# Altium PCB PCB1.PcbDoc
Units mil, origin at the board's own origin, x right, y up, seen from the top; angles counter-clockwise.
Board outline 3927.04 x 3950.03 mil, 2 copper layers (Top Layer, Bottom Layer); 47 components, 56 nets, 235 pads, 28 vias.
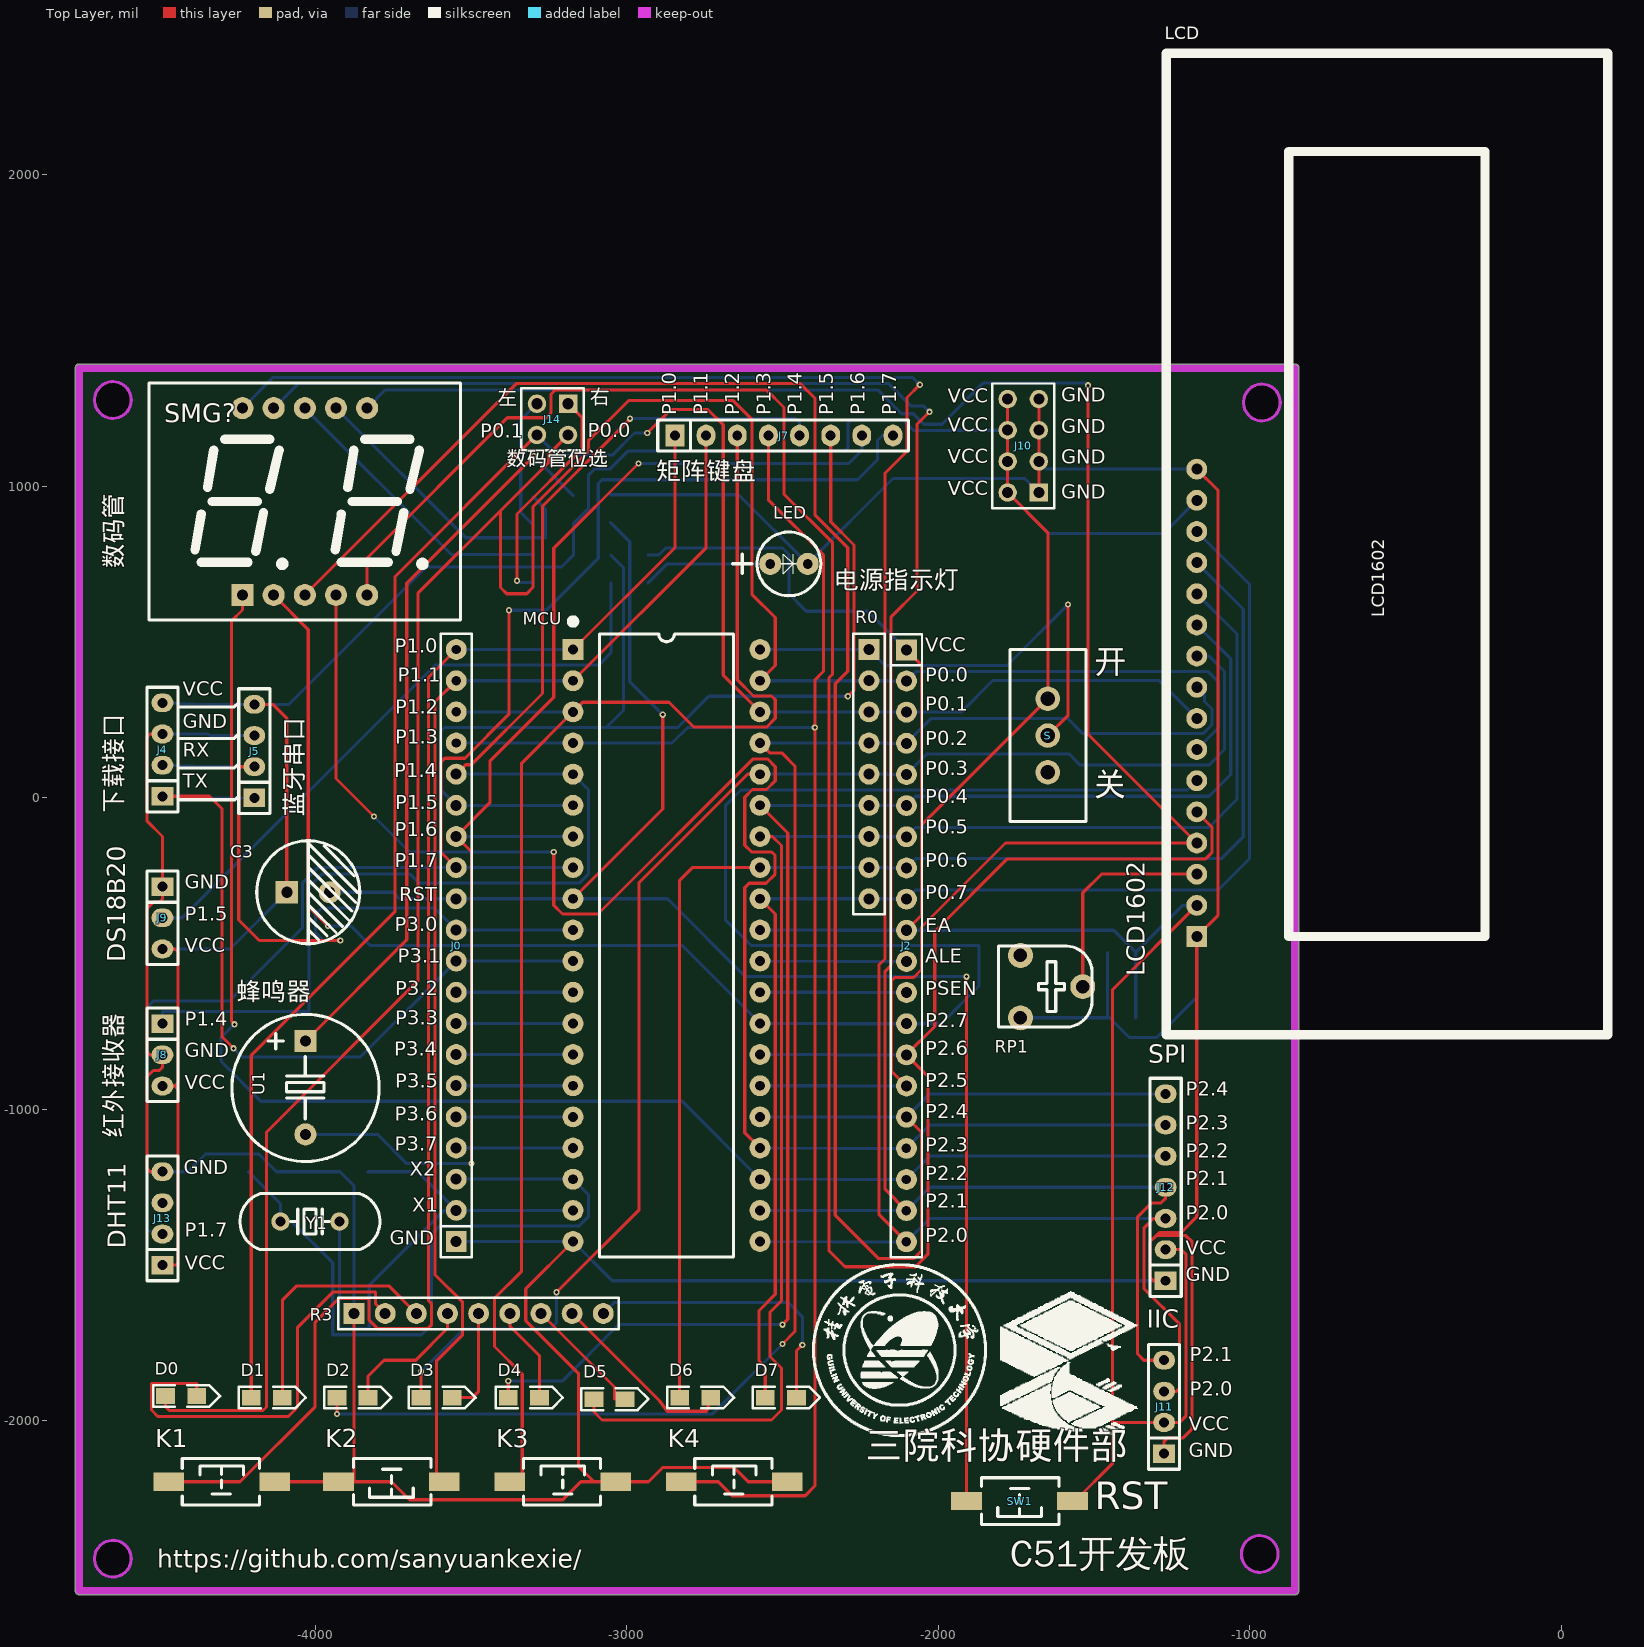
[diagram p0: Top Layer view]
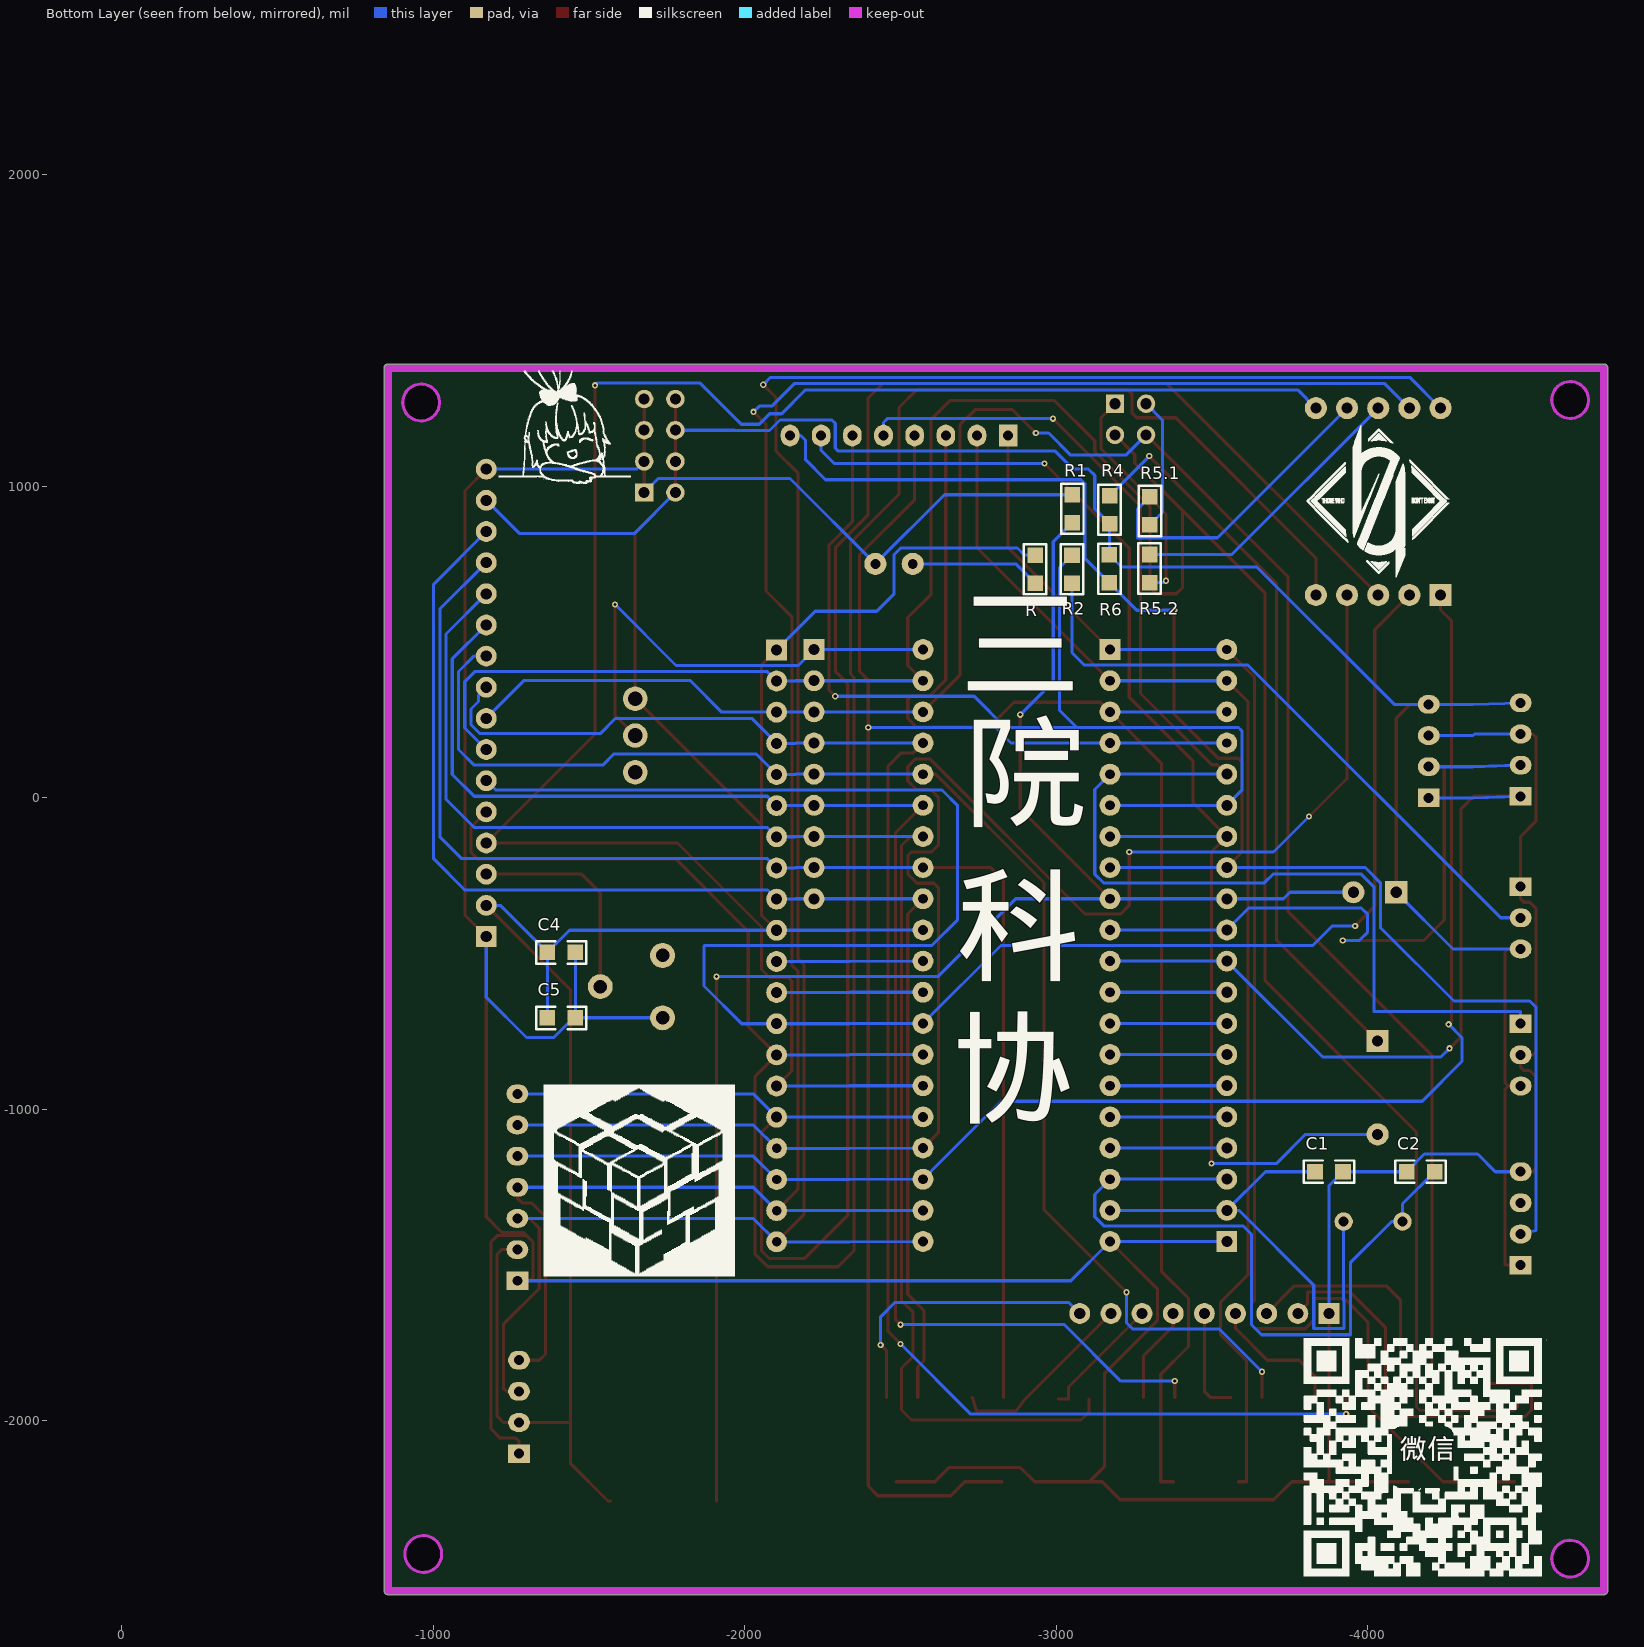
[diagram p1: Bottom Layer view, seen from below]

## Layer stack, top to bottom
Top Solder: solder mask 0.4, Solder Resist, Dk 3.5
Top Layer: signal copper 1.4
Dielectric 1: dielectric 12.6, FR-4, Dk 4.8
Bottom Layer: signal copper 1.4
Bottom Solder: solder mask 0.4, Solder Resist, Dk 3.5

## Board outline
-4769.52,-2545 -4769.52,1378.5 cw(c-4757.01,1378.5) -4769.5,1379.25 cw(c-4757.01,1380) -4757.01,1392.52 -855,1392.52 cw(c-855,1380) -842.48,1380 -842.48,-2545 cw(c-855,-2545) -855,-2557.52 -4757.01,-2557.52 cw(c-4757.01,-2545)
cut-out: -4649,1217.94 cw(c-4649,1277) -4708.06,1277 cw(c-4649,1277) -4649,1336.06 cw(c-4649,1277) -4589.94,1277 cw(c-4649,1277)
cut-out: -961,1209.94 cw(c-961,1269) -1020.06,1269 cw(c-961,1269) -961,1328.06 cw(c-961,1269) -901.94,1269 cw(c-961,1269)
cut-out: -1027.06,-2427 ccw(c-968,-2427) -968,-2486.06 ccw(c-968,-2427) -908.94,-2427 ccw(c-968,-2427) -968,-2367.94 ccw(c-968,-2427)
cut-out: -4649,-2501.06 cw(c-4649,-2442) -4708.06,-2442 cw(c-4649,-2442) -4649,-2382.94 cw(c-4649,-2442) -4589.94,-2442 cw(c-4649,-2442)

## Design rules (kind name [scope] priority, off if disabled: settings)
Clearance Clearance_1 [All] p1: gap=10 ignorepadtopadclearanceinfootprint=FALSE except(0: Arc-Hole Track-Hole SMDPad-Hole THPad-Hole Via-Hole Fill-Hole Poly-Hole Region-Hole Text-Hole)
Clearance [All] p2: gap=10 ignorepadtopadclearanceinfootprint=FALSE except(0: Arc-Hole Track-Hole SMDPad-Hole THPad-Hole Via-Hole Fill-Hole Poly-Hole Region-Hole Text-Hole)
PolygonConnect [All] p1: connectstyle=Relief reliefconductorwidth=10 reliefentries=4 polygonreliefangle="90 Angle" airgapwidth=10
RoutingVias [All] p1: holewidth=28 width=50 viastyle="Through Hole" minholewidth=28 minwidth=50 maxholewidth=28 maxwidth=50
SolderMaskExpansion [All] p1: expansion=4
Width [All] p1: maxlimit=30 minlimit=10 preferedwidth=10 minimp=50.000000 maximp=50.000000 favimp=50.000000
30 further rules are at their usual default settings.

## Components (designator, comment, footprint, x,y, rotation, side; value= is the part's Value field where it differs from the comment)
C1 "33P" "C 0805" -3875,-1200 r0 bottom
C2 "33P" "C 0805" -4169,-1200 r180 bottom
C3 "10UF" "CAP 3.5*8*11.5 - BK" -4022,-303 r0 top
C4 "104" "C 0805" -1411,-496 r0 bottom
C5 "104" "C 0805" -1411,-706 r180 bottom
D0 "" LED-0805R -4480,-1920 r0 top
D1 "" LED-0805R -4205,-1925 r0 top
D2 "" LED-0805R -3930,-1925 r0 top
D3 "" LED-0805R -3660,-1925 r0 top
D4 "" LED-0805R -3380,-1925 r0 top
D5 "" LED-0805R -3105,-1930 r0 top
D6 "" LED-0805R -2830,-1925 r0 top
D7 "" LED-0805R -2555,-1925 r0 top
J0 "CN20" HDR-1X20 -3547,-1424 r90 top
J2 "CN20" HDR-1X20 -2102,475 r270 top
J4 "CN4" Fe-HDR1X4/2.54-S -4490,5 r180 top
J5 "CN4" Fe-HDR1X4/2.54-S -4195,0 r180 top
J7 "CN8" Fe-HDR1X8/2.54-S -2845,1163 r90 top
J8 "CN3" Fe-HDR1X3/2.54-S -4490,-725 r0 top
J9 "CN3" Fe-HDR1X3/2.54-S -4490,-285 r0 top
J10 "CN8" "Pin HDR2X4/2.54mm-S" -1677,980 r90 top
J11 "CN4" "Pin HDR1X4/2.54mm-S" -1275,-2105 r180 top
J12 "CN7" "Pin HDR1X7/2.54mm-S" -1270,-1550 r180 top
J13 "CN4" Fe-HDR1X4/2.54-S -4490,-1500 r180 top
J14 "CN2" "Pin HDR2X2/2.54mm-S" -3188,1265 r180 top
K1 "KEY" "TSW SMD-3*6*5" -4300,-2195 r0 top
K2 "KEY" "TSW SMD-3*6*5" -3755,-2195 r180 top
K3 "KEY" "TSW SMD-3*6*5" -3205,-2195 r0 top
K4 "KEY" "TSW SMD-3*6*5" -2655,-2195 r0 top
LCD "LCD_1602" LCD-1602 -1170,-445 r90 top
LED "红色" LED-5mm -2539,751 r180 top
MCU "STC89C52RC" DIP40-600 -2872,-474 r0 top
R "1K" "R 0805" -2932,734 r270 bottom
R0 "CN9" HDR-1X9_Y -2222,476 r270 top
R1 "4.7K" "R 0805" -3051,928 r90 bottom
R2 "1K" "R 0805" -3050,734 r270 bottom
R3 "CN9" HDR-1X9_Y -3875,-1655 r0 top
R4 "100" "R 0805" -3171,925 r270 bottom
R5.1 "1K" "R 0805" -3300,921 r270 bottom
R5.2 "1K" "R 0805" -3299,736 r270 bottom
R6 "5K" "R 0805" -3170,735 r270 bottom
RP1 "502" RM065 -1536,-606 r270 top
S "" SS-12D10 -1648,318.11 r270 top
SMG? "0.56寸2位共阳数码管" "SMG 0.56-2P" -4033,951 r0 top
SW1 "KEY" "TSW SMD-3*6*5" -1739,-2257 r180 top
U1 "蜂鸣器" "BEEP 7.6x12x9.5" -4031,-781 r270 top
Y1 "" "XTAL-49S DIP" -4016.49,-1360 r180 top

## Footprints (in the part's own frame and the unit in brackets; to place one, negate y for a bottom-side part, rotate by r counter-clockwise, add the part's x,y. Pads: shape width x height; smd on the part's side, far side on the other; paste and mask are expansions set on the pad)
"BEEP 7.6x12x9.5" [mm]
  rect 1.8x1.8 hole 0.9: 1(0,0)
  round 1.8 hole 0.9: 2(7.6,0)
  silkscreen extent -2.19,-6 9.81,6, body extent -2.19,-5.97 9.81,6.03, height 9.55
"C 0805" [mil] "无极性贴片电容"
  rect 50x50 smd: 1(-45,0) 2(45,0)
  silkscreen extent -81,-36 81,36, body extent -39,-24 39,24, height 20
"CAP 3.5*8*11.5 - BK" [mm] "脚距3.5mm直径8mm高度11.5mm"
  rect 1.8x1.8 hole 0.9: 1(-1.75,0)
  round 1.8 hole 0.9: 2(1.75,0)
  silkscreen extent -4.2,-4.2 4.2,4.2, body extent -4,-4 4.01,4, height 11.54
DIP40-600 [mm] "52*15.2*4mm(长宽高)"
  rect 1.7x1.7 hole 0.8: 1(-7.62,24.13)
  round 1.7 hole 0.8: 2(-7.62,21.59) 3(-7.62,19.05) 4(-7.62,16.51) 5(-7.62,13.97) 6(-7.62,11.43) 7(-7.62,8.89) 8(-7.62,6.35) 9(-7.62,3.81) 10(-7.62,1.27) 11(-7.62,-1.27) 12(-7.62,-3.81) 13(-7.62,-6.35) 14(-7.62,-8.89) 15(-7.62,-11.43) 16(-7.62,-13.97) 17(-7.62,-16.51) 18(-7.62,-19.05) 19(-7.62,-21.59) 20(-7.62,-24.13) 21(7.62,-24.13) 22(7.62,-21.59) 23(7.62,-19.05) 24(7.62,-16.51) 25(7.62,-13.97) 26(7.62,-11.43) 27(7.62,-8.89) 28(7.62,-6.35) 29(7.62,-3.81) 30(7.62,-1.27) 31(7.62,1.27) 32(7.62,3.81) 33(7.62,6.35) 34(7.62,8.89) 35(7.62,11.43) 36(7.62,13.97) 37(7.62,16.51) 38(7.62,19.05) 39(7.62,21.59) 40(7.62,24.13)
  silkscreen extent -7.87,-25.4 5.46,26.67, body extent -7.78,-26.18 7.78,26.18, height 4.7
Fe-HDR1X3/2.54-S [mil]
  rect 70x60 hole 32: 1(0,0)
  oval 70x60 hole 32: 2(0,-100) 3(0,-200)
  silkscreen extent -50,-250 50,50, body extent -50,-255 48,55, height 335
Fe-HDR1X4/2.54-S [mil]
  rect 70x60 hole 32: 1(0,0)
  oval 70x60 hole 32: 2(0,-100) 3(0,-200) 4(0,-300)
  silkscreen extent -50,-350 50,50, body extent -44,-355 54,55, height 335
Fe-HDR1X8/2.54-S [mil]
  rect 70x60 hole 32: 1(0,0)
  oval 70x60 hole 32: 2(0,-100) 3(0,-200) 4(0,-300) 5(0,-400) 6(0,-500) 7(0,-600) 8(0,-700)
  silkscreen extent -50,-750 50,55, body extent -49,-755 49,55, height 126
HDR-1X9_Y [mm] "圆孔排母，9脚"
  rect 1.7x1.7 hole 0.9: 1(0,0)
  round 1.7 hole 0.9: 2(2.54,0) 3(5.08,0) 4(7.62,0) 5(10.16,0) 6(12.7,0) 7(15.24,0) 8(17.78,0) 9(20.32,0)
  silkscreen extent -1.27,-1.27 21.59,1.27, body extent -1.27,-1.27 21.59,1.27, height 4.31
HDR-1X20 [mm] "排针，20脚"
  rect 1.7x1.7 hole 0.9: 1(0,0)
  round 1.7 hole 0.9: 2(2.54,0) 3(5.08,0) 4(7.62,0) 5(10.16,0) 6(12.7,0) 7(15.24,0) 8(17.78,0) 9(20.32,0) 10(22.86,0) 11(25.4,0) 12(27.94,0) 13(30.48,0) 14(33.02,0) 15(35.56,0) 16(38.1,0)
  round 1.7 hole 0.762: 17(40.64,0) 18(43.18,0) 19(45.72,0) 20(48.26,0)
  silkscreen extent -1.27,-1.27 49.53,1.27, body extent -1.27,-1.27 49.53,1.27, height 8.5
LCD-1602 [mm] "LCD module 16*2 char"
  rect 1.7x1.7 hole 0.9: 1(0,0)
  round 1.7 hole 0.9: 2(2.54,0) 3(5.08,0) 4(7.62,0) 5(10.16,0) 6(12.7,0) 7(15.24,0) 8(17.78,0) 9(20.32,0) 10(22.86,0) 11(25.4,0) 12(27.94,0) 13(30.48,0) 14(33.02,0) 15(35.56,0) 16(38.1,0)
  silkscreen extent -8,-33.5 72,2.5, body extent -8.15,-33.11 71.85,1.89, height 9
LED-5mm [mm]
  round 1.8 hole 0.8: 1(0,0) 2(-3.048,0)
  silkscreen extent -4.12,-2.6 3.05,2.6, body extent -4.35,-2.91 1,2.79, height 8.6
LED-0805R [mil]
  rect 60x50 smd: A(0,0) K(100,0)
  silkscreen extent -40,-35 175,35, body extent 11,-24 89,25, height 32
"Pin HDR1X4/2.54mm-S" [mil]
  rect 70x60 hole 32: 1(0,0)
  oval 70x60 hole 32: 2(0,-100) 3(0,-200) 4(0,-300)
  silkscreen extent -50,-350 50,50, body extent -50,-350 50,50, height 336
"Pin HDR1X7/2.54mm-S" [mil]
  rect 70x60 hole 32: 1(0,0)
  oval 70x60 hole 32: 2(0,-100) 3(0,-200) 4(0,-300) 5(0,-400) 6(0,-500) 7(0,-600)
  silkscreen extent -50,-650 50,50, body extent -50,-650 50,50, height 336
"Pin HDR2X2/2.54mm-S" [mm] "Connector; Header; 2x2 Position"
  rect 1.5x1.5 hole 0.9: 1(0,0)
  round 1.5 hole 0.9: 2(0,2.54) 3(2.54,0) 4(2.54,2.54)
  silkscreen extent -1.27,-1.27 3.81,3.81, body extent -1.27,-1.27 3.81,3.81, height 7.58
"Pin HDR2X4/2.54mm-S" [mm] "Connector; Header; 4x2 Position"
  rect 1.5x1.5 hole 0.9: 1(0,0)
  round 1.5 hole 0.9: 2(0,2.54) 3(2.54,0) 4(2.54,2.54) 5(5.08,0) 6(5.08,2.54) 7(7.62,0) 8(7.62,2.54)
  silkscreen extent -1.27,-1.27 8.89,3.81, body extent -1.27,-1.27 8.89,3.81, height 7.58
"R 0805" [mil] "1/8W贴片电阻"
  rect 50x50 smd: 1(-45,0) 2(45,0)
  silkscreen extent -81,-36 81,36, body extent -39,-25 39,25, height 20
RM065 [mil] "蓝白可调电位器"
  round 80 hole 43.31: 1(-100,-200) 2(100,-200) ADJ(0,0)
  silkscreen extent -130,-270 130,30, body extent -128,-269 128,30, height 299
"SMG 0.56-2P" [mm] "25*19*8mm(长宽厚)"
  rect 1.8x1.8 hole 0.9: 1(-5.08,-7.62)
  round 1.8 hole 0.9: 2(-2.54,-7.62) 3(0,-7.62) 4(2.54,-7.62) 5(5.08,-7.62) 6(5.08,7.62) 7(2.54,7.62) 8(0,7.62) 9(-2.54,7.62) 10(-5.08,7.62)
  silkscreen extent -12.7,-9.65 12.7,9.65, body extent -12.5,-9.5 12.5,9.5, height 8
SS-12D10 [mm]
  round 2 hole 1.2: 1(0,0) 2(3,0) 3(6,0)
  silkscreen extent -4,-3.1 10,3.1, body extent -3.95,-3.15 10.05,3.05, height 9.65
"TSW SMD-3*6*5" [mm] "3*6*5mm"
  rect 2.5x1.5 smd: 1(-4.318,0) 2(4.318,0)
  silkscreen extent -3.21,-1.9 3.09,1.9, body extent -4.6,-1.75 4.6,1.75, height 5.1
"XTAL-49S DIP" [mm]
  round 1.5 hole 0.8: 1(-2.4,0) 2(2.4,0)
  silkscreen extent -5.7,-2.28 5.7,2.28, body extent -5.68,-2.35 5.67,2.3, height 3.5

## Part data
C1 C2 C4 C5: library part 瓷片电容, "C-CC", BOM名称=直插瓷片电容, 学习资源=www.ooocke.com, 版权归属=源创客
C3: library part 电解电容, "CAP-E", BOM名称=直插电解电容, 学习资源=www.ooocke.com, 版权归属=源创客
D0 D1 D2 D3 D4 D5 D6 D7: library part LED
J0 J2: "CN20*1"
J4 J5 J13: library part "Female HDR1X4"
J7: library part "Female HDR1X8"
J8 J9: library part "Female HDR1X3"
J10: library part "Pin HDR2X4"
J11: library part "Pin HDR1X4"
J12: library part "Pin HDR1X7"
J14: library part "Pin HDR2X2"
K1 K2 K3 K4 SW1: library part 2脚按键
LCD: "LCD_1602显示模块", BOM名称="LCD 1602", 学习资源=www.ooocke.com, 版权归属=源创客
LED: library part LED灯, "插件LED", BOM名称=插件LED, 学习资源=www.ooocke.com, 版权归属=源创客
MCU: "STC单片机", BOM名称=STC单片机, 学习资源=www.ooocke.com, 版权归属=源创客
R R1 R2 R4 R5.1 R5.2 R6: library part 电阻, "R", BOM名称=贴片电阻, 学习资源=www.ooocke.com, 版权归属=源创客
R0 R3: "CN9*1"
RP1: library part 电位器, "RP-ID", BOM名称=插件电位器, 学习资源=www.ooocke.com, 版权归属=源创客
S: library part SS-12D10
SMG?: "5621B", BOM名称=0.56寸2位共阳, 学习资源=www.ooocke.com, 版权归属=源创客
U1: "BEEP"
Y1: library part 晶振, "CRY"

## Via types
v1: diameter 20, hole 10, Top Layer to Bottom Layer, 28 vias

## Nets (pads, with @x,y where several pads share a name; then routed paths per layer and width w, separated by ;. In a path a pad name is that pad's centre, name@x,y a point inside that pad or via, vN(x,y) a via of type N, cw(c..) or ccw(c..) an arc to the next point about the centre after c; other vN are vias at no path point)
ALE: J2.11 MCU.30 | length 470
  Bottom Layer w10: MCU.30 -2336,-525 J2.11
GND: C1.1 C2.1 C4.1 C5.2 J0.1 J4.3 J5.3 J8.2 J9.1 J10.1 J10.3 J10.5 J10.7 J11.1 J12.1 J13.4 K1.2 K2.2 K3.2 K4.2 LCD.1 LCD.16 LED.2 MCU.20 R1.2 R3.1 RP1.2 | length 15680.1
  Top Layer w10: J13.4 -4529,-1200 -4540,-1189 -4540,-896 -4519,-875 -4500,-875 -4490,-865 J8.2 -4530,-825 -4540,-815 -4540,-356 -4519,-335 -4500,-335 -4490,-325 J9.1 -4490,-124 -4540,-74 -4540,195 -4530,205 J4.3 ; K1.2 K2.2 -3875,-2195 ; R3.1 -3875,-2195 ; MCU.20 -3324,-1576 -3324,-1677.82 -3155,-1846.82 -3155,-2145 -3105,-2195 ; K4.2 -2610,-2195 -2655,-2150 -2885,-2150 -2930,-2195 K3.2 -3105,-2195 ; J10.1 J10.3 J10.5 J10.7 ; J11.1 -1275,-2065 -1265,-2055 -1215,-2055 -1185,-2025 -1185,-1425 -1205,-1405 -1300,-1405 ; J12.1 -1309,-1550 -1320,-1539 -1320,-1425 -1300,-1405 ; LCD.16 -1101.53,986.53 -1101.53,-376.53 LCD.1 -1170,-1345 -1220,-1395 -1290,-1395 -1300,-1405 ; -3875,-2195 -3755,-2195 -3697,-2253 -3205,-2253 -3147,-2195 -3105,-2195
  Bottom Layer w10: J13.4 -4409,-1200 -4352,-1143 -4181,-1143 C2.1 C1.1 -3875,-1245 R3.1 ; J4.3 -4342,205 -4337,200 J5.3 ; J0.1 MCU.20 -3046,-1550 J12.1 ; R1.2 -2641,973 LED.2 -2145,1025 -1722,1025 J10.1 ; RP1.2 C5.2 C5.2@-1456,-700 ; J10.3 -1652,1055 LCD.16 ; C4.1 C5.2@-1456,-700 ; LCD.1 -1170,-640 -1299,-769 -1387,-769 C5.2@-1456,-700
NetD0_K: D0.K R3.2 | length 1394.4
  Top Layer w10: D0.K -4380,-1880 -4525,-1880 -4525,-1965 -4504,-1986 -4087,-1986 -4056,-1955 -4056,-1699.07 -3943.47,-1586.53 -3806,-1586.53 -3806,-1624 R3.2
NetD1_K: D1.K R3.3 | length 798.2
  Top Layer w10: D1.K -4105,-1612.53 -4059,-1566.53 -3763.47,-1566.53 R3.3
NetD2_K: D2.K R3.4 | length 435.4
  Top Layer w10: D2.K -3830,-1856 -3779,-1805 -3677,-1805 -3575,-1703 R3.4
NetD3_K: D3.K R3.5 | length 343.3
  Top Layer w10: D3.K -3495,-1925 -3475,-1905 R3.5
NetD4_K: D4.K R3.6 | length 309.4
  Top Layer w10: R3.6 -3375,-1695 -3280,-1790 D4.K
NetD5_K: D5.K R3.7 | length 406.8
  Top Layer w10: R3.7 -3039,-1891 -3039,-1930 D5.K
NetD6_K: D6.K R3.8 | length 610
  Top Layer w10: R3.8 -2893,-1937 -2869,-1969 -2744,-1969 D6.K
NetD7_K: D7.K R3.9 | length 940
  Top Layer w10: D7.K -2455,-1775 v1(-2436,-1756)
  Bottom Layer w10: R3.9 -3040,-1620 -2481,-1620 -2436,-1665 v1(-2436,-1756)
NetJ9_2: J9.2 R2.2 | length 2015.5
  Bottom Layer w10: J9.2 -4426,-385 -3615,426 -3090,426 -3050,466 R2.2
NetJ14_1: J14.1 R5.2.2 | length 728.7
  Top Layer w10: v1(-3352,697) -3352,911 -3143,1120 -3143,1220 J14.1
  Bottom Layer w10: v1(-3352,697) -3346,691 R5.2.2
NetJ14_3: J14.3 R5.1.2 | length 427.1
  Bottom Layer w10: R5.1.2 -3340,916 -3340,1213 J14.3
NetLCD_3: LCD.3 RP1.ADJ | length 691.9
  Top Layer w10: RP1.ADJ -1536,-305 -1476,-245 LCD.3
NetLED_1: LED.1 R.2 | length 418.7
  Bottom Layer w10: R.2 -2870,751 LED.1
NetMCU_40: MCU.40 R0.1 S.2 | length 1539.2
  Top Layer w10: S.2 -1583,265 v1(-1583,621)
  Bottom Layer w10: MCU.40 R0.1 -2171,425 -1779,425 v1(-1583,621)
NetR4_1: R4.1 U1.1 | length 2361.2
  Top Layer w10: U1.1 -3706,-456 -3706,689 v1(-3298,1097)
  Bottom Layer w10: v1(-3298,1097) R4.1
NetR5.1_1: R5.1.1 SMG?.7 | length 992.9
  Bottom Layer w10: SMG?.7 -3517,835 -3260,835 -3260,926 R5.1.1
NetR5.2_1: R5.2.1 SMG?.8 | length 928.7
  Bottom Layer w10: SMG?.8 -3563,781 R5.2.1
P0.0: D0.A J2.2 J14.2 LCD.7 MCU.39 R0.2 | length 8038
  Top Layer w10: D0.A -4480,-1955 -4469,-1966 -4167,-1966 -4156,-1955 -4156,-1073 -3670,-587 -3670,656.34 -3405,921.34 ; J14.2 -3251.34,1101.66 -3251.34,1075 -3405,921.34 ; MCU.39 -2523,425 -2523,579 -2598,654 -2598,1215 -2658,1275 -2994,1275 -3123,1146 -3123,1111.71 -3301,933.71 -3301,675 -3321,655 -3385,655 -3405,675 -3405,921.34
  Bottom Layer w10: MCU.39 R0.2 -2163,376 -2162,375 J2.2 -2072,405 -1133,405 -1101,373 -1101,224 LCD.7
P0.1: D1.A J2.3 J14.4 LCD.8 MCU.38 R0.3 | length 6640.6
  Top Layer w10: D1.A -4205,-826.73 -3744,-365.73 -3744,709 J14.4 ; v1(-2934,1171) -2859,1246 -2739,1246 -2690,1197 -2690,394 MCU.38
  Bottom Layer w10: J14.4 -3223,1100 -3046,1100 -2975,1171 v1(-2934,1171) ; MCU.38 R0.3 -2163,276 -2162,275 J2.3 -1926,275 -1824,377 -1292,377 LCD.8
P0.2: D2.A J2.4 LCD.9 MCU.37 R0.4 | length 5247.8
  Top Layer w10: v1(-3930,-1978) D2.A ; MCU.37 -2540.47,144.47 -2502.12,144.47 -2460,102.35 -2460,-1713 v1(-2500,-1753)
  Bottom Layer w10: v1(-3930,-1978) -2725,-1978 v1(-2500,-1753) ; MCU.37 R0.4 -2163,176 -2162,175 J2.4 -2022,255 -1585,255 -1536,206 -1150,206 -1121,235 -1121,285 -1145.03,309.03 -1145.03,330.03 LCD.9
P0.3: D3.A J2.5 LCD.10 MCU.36 R0.5 | length 4552.7
  Top Layer w10: D3.A v1(-3660,-1842) ; v1(-3225,-1587) -2960,-1322 -2960,-271.68 -2612.32,76 MCU.36
  Bottom Layer w10: v1(-3660,-1842) -3523,-1705 -3245,-1705 -3225,-1685 v1(-3225,-1587) ; MCU.36 R0.5 -2163,76 -2162,75 J2.5 -2036,141 -1580,141 -1544,105 -1131,105 -1081,155 -1081,405.78 -1130.22,455 LCD.10
P0.4: D4.A J2.6 LCD.11 MCU.35 R0.6 | length 4796.9
  Top Layer w10: D4.A v1(-3380,-1872) ; MCU.35 -2483,-113 -2483,-1674 v1(-2500,-1691)
  Bottom Layer w10: v1(-3380,-1872) -3207,-1872 -3026,-1691 v1(-2500,-1691) ; MCU.35 R0.6 -2163,-24 -2162,-25 J2.6 -2072,5 -1131,5 -1061,75 -1061,446 LCD.11
P0.5: D5.A J2.7 LCD.12 MCU.34 R0.7 | length 4885.1
  Top Layer w10: D5.A -3105,-1971 -3079,-1997 -2535,-1997 -2503,-1965 -2503,-1830 -2540,-1793 -2540,-1650.79 -2503,-1613.79 -2503,-153.16 -2532.16,-124 MCU.34
  Bottom Layer w10: MCU.34 R0.7 -2163,-124 -2162,-125 J2.7 -2072,-95 -1131,-95 -1041,-5 -1041,526 LCD.12
P0.6: D6.A J2.8 LCD.13 MCU.33 R0.8 | length 4469.5
  Top Layer w10: D6.A -2830,-265 -2789,-224 MCU.33
  Bottom Layer w10: MCU.33 R0.8 -2163,-224 -2162,-225 J2.8 -2072,-195 -1091,-195 -1021,-125 -1021,606 LCD.13
P0.7: D7.A J2.9 LCD.14 MCU.32 R0.9 | length 4397
  Top Layer w10: MCU.32 -2523,-373 -2523,-1593.79 -2575,-1645.79 -2575,-1807 -2555,-1827 D7.A
  Bottom Layer w10: MCU.32 R0.9 -2163,-324 -2162,-325 J2.9 -2073,-296 -1101,-296 -1001,-196 -1001,686 LCD.14
P1.0: J0.20 J7.1 K1.1 MCU.1 | length 4738.6
  Top Layer w10: K1.1 -4241,-2195 -4000,-1954 -4000,-1683.07 -3923.47,-1606.53 -3826.53,-1606.53 -3826.53,-1676.47 -3799,-1704 -3639,-1704 -3626,-1691 -3626,-1624 -3636,-1614 -3636,387 J0.20 ; MCU.1 -2845,803 J7.1
  Bottom Layer w10: J0.20 MCU.1
P1.1: J0.19 J7.2 K2.1 MCU.2 | length 4034.6
  Top Layer w10: K2.1 -3610,-2195 -3610,-1806.93 -3526.53,-1723.47 -3526.53,-1619 -3615.47,-1530.07 -3615.47,307.53 J0.19 ; MCU.2 -2745,803 J7.2
  Bottom Layer w10: J0.19 MCU.2
P1.2: J0.18 J7.3 K3.1 MCU.3 | length 4726.3
  Top Layer w10: K3.1 -3335,-2195 -3335,-1850 -3424,-1761 -3424,-1606.53 -3337,-1519.53 -3337,111 MCU.3 -3141,307 -2864,307 -2784,227 -2551,227 -2523,255 -2523,315 -2535,327 -2593,327 -2645,379 J7.3
  Bottom Layer w10: J0.18 MCU.3
P1.3: J0.17 J7.4 K4.1 MCU.4 | length 5089.1
  Top Layer w10: K4.1 -2706,-2195 -2661,-2240 -2427,-2240 -2396,-2209 v1(-2396,226) -2396,378 -2368,406 -2368,780 -2545,957 J7.4
  Bottom Layer w10: J0.17 MCU.4 -2854.3,176 -2804.3,226 v1(-2396,226)
P1.4: J0.16 J7.5 J8.1 MCU.5 | length 4535.9
  Top Layer w10: J0.16 -3516.88,106.12 -3499,106.12 -3270,335.12 -3270,936 v1(-2989,1217)
  Bottom Layer w10: J8.1 -4490,-686.22 -4020.22,-686.22 -4019,-685 -4019,-285 -3979,-245 -3695,-245 -3667,-273 -3151,-273 -3123,-245 -3123,27 MCU.5 J0.16 ; v1(-2989,1217) -2457,1217 -2445,1205 J7.5
P1.5: J0.15 J7.6 MCU.6 R2.1 | length 3453.8
  Top Layer w10: J7.6 -2345,886 -2270.47,811.47 -2270.47,345.53 v1(-2290,326)
  Bottom Layer w10: MCU.6 J0.15 -3595.47,24.47 -3595.47,215 -3584.47,226 -3065,226 ; R2.1 -3010,739 -3010,281 -3065,226 ; v1(-2290,326) -2736,326 -2836,226 -3065,226
P1.6: J0.14 J7.7 MCU.7 U1.2 | length 4238.9
  Top Layer w10: v1(-3498,-1174) -3498,-173 J0.14 -3439,-16 -3439,118 -3234,323 -3234,801 v1(-2962,1073)
  Bottom Layer w10: U1.2 -3799.78,-1080.22 -3706,-1174 v1(-3498,-1174) ; J0.14 MCU.7 ; v1(-2962,1073) -2287,1073 -2245,1115 J7.7
P1.7: J0.13 J7.8 J13.2 MCU.8 R6.2 | length 5021.7
  Top Layer w10: J0.13 -3595.47,-175.53 -3595.47,115 -3583.47,127 -3519,127 -3378,268 v1(-3378,602)
  Bottom Layer w10: J13.2 -4540,-1389 -4540,-673 -4519,-652 -4276,-652 -4040,-416 -4040,-272 -3992,-224 J0.13 MCU.8 ; v1(-3378,602) -3258,602 R6.2 -3091,769 -3091,1009 -3079,1021 -2259,1021 -2195,1085 -2195,1147 -2179,1163 J7.8
P2.0: J2.20 J11.3 J12.3 MCU.21 SMG?.10 | length 7098.3
  Top Layer w10: J2.20 -2190.47,-1336.53 -2190.47,-536.53 -2171,-517.07 -2171,1042 -2100,1113 -2100,1285 v1(-2059,1326) ; J11.3 -1235,-1905 -1225,-1895 -1225,-1690 -1340,-1575 -1340,-1381 -1309,-1350 J12.3
  Bottom Layer w10: SMG?.10 -4134.47,1349.53 -2082.53,1349.53 v1(-2059,1326) ; MCU.21 -2336,-1425 J2.20 -2027,-1350 J12.3
P2.1: J2.19 J11.4 J12.4 MCU.22 SMG?.9 | length 6842.6
  Top Layer w10: J2.19 -2170.47,-1256.53 -2170.47,-556.53 -2151,-537.07 -2151,581 -2068,664 -2068,1199 v1(-2028,1239) ; J11.4 -1340,-1805 -1360,-1785 -1360,-1345 -1315,-1300 -1285,-1300 -1270,-1285 J12.4
  Bottom Layer w10: SMG?.9 -4054.47,1329.53 -2158.53,1329.53 -2086.43,1257.43 -2046.43,1257.43 v1(-2028,1239) ; MCU.22 -2336,-1325 J2.19 -2027,-1250 J12.4
P2.2: J2.18 J12.5 MCU.23 SMG?.1 | length 4752.7
  Top Layer w10: v1(-4259,-727) -4268,-718 -4268,568 -4233,603 SMG?.1
  Bottom Layer w10: v1(-4259,-727) -4302,-770 -4302,-846 -4174,-974 -2822,-974 MCU.23 -2336,-1225 J2.18 -2027,-1150 J12.5
P2.3: J2.17 J12.6 MCU.24 SMG?.4 | length 5290.7
  Top Layer w10: SMG?.4 -3933,62 v1(-3811,-60) ; v1(-3234,-174) -3234,-345 -3206,-373 -3092,-373 -2594,125 -2548,125 -2523,100 -2523,55 -2551,27 -2596,27 -2621,2 -2621,-152 -2599,-174 -2534.53,-174 -2523.53,-185 -2523.53,-245 -2552.53,-274 -2607,-274 -2621,-288 -2621,-1075 MCU.24
  Bottom Layer w10: v1(-3811,-60) -3697,-174 v1(-3234,-174) ; MCU.24 -2336,-1125 J2.17 -2027,-1050 J12.6
P2.4: J2.16 J12.7 MCU.25 SMG?.3 | length 6747.5
  Top Layer w10: SMG?.3 -3354.47,1329.53 -2442.53,1329.53 -2395,1282 -2395,907 -2290.47,802.47 -2290.47,406 -2330.47,366 -2330.47,-1339.53 -2191,-1479 -2079,-1479 -2053,-1453 -2053,-1074 J2.16
  Bottom Layer w10: MCU.25 -2336,-1025 J2.16 -2027,-950 J12.7
P2.5: J2.15 LCD.4 MCU.26 SMG?.6 | length 6127.4
  Top Layer w10: J2.15 -2150.47,-876.53 -2150.47,-588 -2139,-576.53 -2079,-576.53 -2053.53,-551.07 -2053.53,-414.53 -1784,-145 LCD.4 -1519,204 v1(-1519,1324)
  Bottom Layer w10: SMG?.6 -3774.47,1309.53 -2194.53,1309.53 -2118,1233 -2080,1233 -2046,1199 -1988,1199 -1855,1332 -1527,1332 v1(-1519,1324) ; MCU.26 -2337,-924 -2336,-925 J2.15
P2.6: J2.14 LCD.5 MCU.27 SMG?.5 | length 7588.6
  Top Layer w10: SMG?.5 -3833,770 -3383,1220 -3258,1220 -3243,1235 -3243,1295.53 -3229,1309.53 -2551.53,1309.53 -2495,1253 -2495,974.5 -2339,818.5 -2339,397.47 -2350.47,386 -2350.47,-1453.53 -2299,-1505 -2073,-1505 -2033,-1465 -2033,-894 J2.14 -2011,-734 -2011,-429 -1778,-196 -1141.53,-196 -1121.53,-176 -1121.53,-93.47 LCD.5
  Bottom Layer w10: MCU.27 -2337,-824 -2336,-825 J2.14
P2.7: J2.13 LCD.6 MCU.28 SMG?.2 | length 6293.8
  Top Layer w10: SMG?.2 -4022,540 -4022,-348 v1(-3959,-411)
  Bottom Layer w10: v1(-3959,-411) -3886,-411 -3823,-474 -2822,-474 MCU.28 -2336,-725 J2.13 -1990,-725 -1869,-604 -1869,-475 -1870,-474 -2600,-474 -2683,-391 -2683,-25 -2633,25 -1200,25 LCD.6
P3.0: J0.11 J4.2 J5.2 MCU.10 | length 2203.7
  Top Layer w10: J5.2 -4245,100 -4245,-392 -4179,-458 v1(-3919,-458)
  Bottom Layer w10: J4.2 -4337,100 J5.2 ; v1(-3919,-458) -3972,-458 -3999,-431 -3999,-373.43 -3979,-353.43 -3617.57,-353.43 J0.11 MCU.10
P3.1: J0.10 J4.1 J5.1 MCU.11 | length 2516.2
  Top Layer w10: J4.1 -4339,5 -4299,-35 -4299,-767 v1(-4262,-804)
  Bottom Layer w10: J4.1 -4337,0 J5.1 ; v1(-4262,-804) -4234,-832 -3855,-832 J0.10 MCU.11
P3.2: J0.9 MCU.12 | length 375
  Bottom Layer w10: J0.9 MCU.12
P3.3: J0.8 MCU.13 | length 375
  Bottom Layer w10: J0.8 MCU.13
P3.4: J0.7 MCU.14 | length 375
  Bottom Layer w10: J0.7 MCU.14
P3.5: J0.6 MCU.15 | length 375
  Bottom Layer w10: J0.6 MCU.15
P3.6: J0.5 MCU.16 | length 375
  Bottom Layer w10: J0.5 MCU.16
P3.7: J0.4 MCU.17 | length 375
  Bottom Layer w10: J0.4 MCU.17
PSEN: J2.12 MCU.29 | length 470.4
  Bottom Layer w10: MCU.29 -2337,-624 -2336,-625 J2.12
RST: C3.2 J0.12 MCU.9 R1.1 SW1.2 | length 5234.8
  Top Layer w10: MCU.9 -2884,-36 v1(-2884,267) ; SW1.2 v1(-1909,-574)
  Bottom Layer w10: C3.2 -3750,-303 -3729,-324 J0.12 MCU.9 -2869,-324 -2619,-574 v1(-1909,-574) ; R1.1 -2990,822 -2990,373 v1(-2884,267)
VCC: C3.1 C4.2 C5.1 J2.1 J2.10 J4.4 J5.4 J8.3 J9.3 J10.2 J10.4 J10.6 J10.8 J11.2 J12.2 J13.1 LCD.2 LCD.15 MCU.31 R4.2 R6.1 R.1 S.1 SW1.1 | length 14491.8
  Top Layer w10: J13.1 -4440,-1500 -4440,-935 -4450,-925 ; J8.3 -4450,-925 ; J9.3 -4450,-485 -4440,-495 -4440,-915 -4450,-925 ; J5.4 -4135.9,300 -4090.9,255 C3.1 ; J2.10 -2053,-376 -2053,-86.89 ; J2.1 -2053,426 -2053,-86.89 ; J10.8 J10.6 J10.4 J10.2 -1648,851 S.1 -2053,-86.89 ; SW1.1 -1561,-2257 -1440,-2136 -1440,-2005 ; J12.2 -1219,-1450 -1205,-1464 -1205,-1985 -1225,-2005 J11.2 -1440,-2005 ; LCD.2 -1440,-615 -1440,-2005
  Bottom Layer w10: J9.3 -4272.9,-485 C3.1 ; J4.4 -4337,300 J5.4 -4084,300 -3643,741 -3209,741 R6.1 -3170,829 -3171,830 R4.2 -3123,928 -3123,1035 -3103,1055 -3054,1055 -2996,1113 -2300,1113 -2290,1123 -2290,1202 -2279,1213 -2113,1213 -2079,1179 -1968,1179 -1967,1180 J10.6 ; R.1 -2898,779 -2875,802 -2500,802 -2479,781 -2479,655 -2423,599 -2226,599 J2.1 ; MCU.31 -2336,-425 J2.10 -1437,-425 C4.2 ; J10.2 -1645,848 -1277,848 LCD.15 ; C5.1 C4.2 ; LCD.2 -1215,-345 C4.2
X1: C1.2 J0.2 MCU.19 Y1.1 | length 1668.8
  Bottom Layer w10: Y1.1 -3922,-1613.53 -3923.47,-1615 -3923.47,-1703.47 -3826,-1703.47 -3826,-1564 -3586,-1324 J0.2 ; C1.2 -3671,-1200 J0.2 ; MCU.19 J0.2
X2: C2.2 J0.3 MCU.18 Y1.2 | length 2319.4
  Bottom Layer w10: C2.2 -4110.98,-1303.02 Y1.2 -4076,-1360 -3943.47,-1492.53 -3943.47,-1723.47 -3658.47,-1723.47 -3626,-1691 -3626,-1401 -3599,-1374 -3152,-1374 -3123,-1345 -3123,-1273 MCU.18 J0.3
pads on no net: J13.3 RP1.1 S.3

## Keep-outs
Keep-Out Layer:
  circle w10: c-4649,1277 r59.06
  circle w10: c-968,-2427 r59.06
  circle w10: c-4649,-2442 r59.06
  circle w10: c-961,1269 r59.06
  lines w25: -4757.01,1378.5 -4757.01,-2545 -855,-2545 -855,1380 -4757.01,1380

## Silkscreen, mask and mechanical layers (free items; w line width, h text height)
Top Overlay:
  drawing of 4435 lines, arcs and shapes, not listed
  text "GND" at -1605,1256 h78.74
  text "VCC" at -1969.95,1252 h78.74
  text "右" at -3118,1247 h82.68
  text "左" at -3415,1245 h82.68
  text "P1.0" at -2824,1228 h78.74 r90
  text "P1.1" at -2723.29,1228 h78.74 r90
  text "P1.2" at -2622.57,1228 h78.74 r90
  text "P1.3" at -2521.86,1228 h78.74 r90
  text "P1.4" at -2421.14,1228 h78.74 r90
  text "P1.5" at -2320.43,1228 h78.74 r90
  text "P1.6" at -2219.71,1228 h78.74 r90
  text "P1.7" at -2119,1228 h78.74 r90
  text "VCC" at -1969.95,1159 h78.74
  text "GND" at -1605,1155 h78.74
  text "P0.0" at -3125,1141 h78.74
  text "P0.1" at -3470,1140 h78.74
  text "VCC" at -1969.95,1058 h78.74
  text "GND" at -1605,1056 h78.74
  text "数码管位选" at -3387,1050 h82.68
  text "矩阵键盘" at -2905,1001 h100
  text "VCC" at -1969.95,955 h78.74
  text "GND" at -1605,944 h78.74
  text "数码管" at -4600,735 h100 r90
  text "电源指示灯" at -2333,652 h100
  text "VCC" at -2040.95,453 h78.74
  text "P1.0" at -3743.95,449 h78.74
  text "开" at -1499,375 h130
  text "P1.1" at -3734.66,356 h78.74
  text "P0.0" at -2041,356 h78.74
  text "VCC" at -4424,311 h78.74
  text "P0.1" at -2041,264 h78.74
  text "P1.2" at -3742.47,254 h78.74
  text "GND" at -4424,208 h78.74
  text "P1.3" at -3742.42,157 h78.74
  text "P0.2" at -2041,153 h78.74
  text "RX" at -4425,116 h78.74
  text "P0.3" at -2041,57 h78.74
  text "P1.4" at -3745.42,50 h78.74
  text "TX" at -4425,16 h78.74
  text "关" at -1500,-19 h130
  text "P0.4" at -2041,-34 h78.74
  text "下载接口" at -4599.65,-50 h100 r90
  text "P1.5" at -3742.47,-53 h78.74
  text "蓝牙串口" at -4021,-61 h100 r90
  text "P0.5" at -2041,-132 h78.74
  text "P1.6" at -3744,-140 h78.74
  text "P1.7" at -3743.62,-239 h78.74
  text "P0.6" at -2041,-239 h78.74
  text "GND" at -4419,-308 h78.74
  text "P0.7" at -2041,-342 h78.74
  text "RST" at -3730.19,-348 h78.74
  text "P1.5" at -4419.05,-410 h78.74
  text "P3.0" at -3743.95,-444 h78.74
  text "EA" at -2041,-448 h78.74
  text "VCC" at -4419,-511 h78.74
  text "DS18B20" at -4589.31,-528 h100 r90
  text "ALE" at -2041,-545 h78.74
  text "P3.1" at -3734.66,-546 h78.74
  text "LCD1602" at -1318,-573 h100 r90
  text "P3.2" at -3742.47,-650 h78.74
  text "PSEN" at -2041,-650 h78.74
  text "蜂鸣器" at -4253,-669 h100
  text "P3.3" at -3742.42,-745 h78.74
  text "P1.4" at -4419.05,-747 h78.74
  text "P2.7" at -2041,-752 h78.74
  text "P2.6" at -2041,-843 h78.74
  text "P3.4" at -3745.42,-844 h78.74
  text "GND" at -4419,-848 h78.74
  text "SPI" at -1325,-870 h100
  text "P2.5" at -2041,-945 h78.74
  text "P3.5" at -3742.47,-946 h78.74
  text "VCC" at -4419,-952 h78.74
  text "P2.4" at -1205.16,-973 h78.74
  text "P2.4" at -2041,-1044 h78.74
  text "P3.6" at -3744,-1052 h78.74
  text "P2.3" at -1205.16,-1081 h78.74
  text "红外接收器" at -4600,-1092 h100 r90
  text "P3.7" at -3743.62,-1148 h78.74
  text "P2.3" at -2041,-1152 h78.74
  text "P2.2" at -1205.16,-1172 h78.74
  text "GND" at -4422,-1224 h78.74
  text "X2" at -3696.22,-1229 h78.74
  text "P2.2" at -2041,-1243 h78.74
  text "P2.1" at -1205.16,-1260 h78.74
  text "P2.1" at -2041,-1331 h78.74
  text "X1" at -3688.42,-1345 h78.74
  text "P2.0" at -1205.16,-1371 h78.74
  text "P1.7" at -4419.05,-1425 h78.74
  text "P2.0" at -2041,-1442 h78.74
  text "DHT11" at -4588.55,-1448 h100 r90
  text "GND" at -3760.11,-1451 h78.74
  text "VCC" at -1205.11,-1482 h78.74
  text "VCC" at -4419,-1531 h78.74
  text "GND" at -1205.11,-1567 h78.74
  text "IIC" at -1330,-1720 h100
  text "P2.1" at -1192.16,-1824 h78.74
  text "P2.0" at -1192.16,-1935 h78.74
  text "VCC" at -1195.11,-2048 h78.74
  text "GND" at -1195.11,-2133 h78.74
  text "三院科协硬件部" at -2234,-2150 h150
  text "RST" at -1498,-2312 h150
  text "https://github.com/sanyuankexie/" at -4507,-2490 h100
  text "C51开发板" at -1769,-2497 h150
Bottom Overlay:
  drawing of 13592 lines, arcs and shapes, not listed
  text "三" at -2685,255 h500
  text "院" at -2705,-155 h500
  text "科" at -2680,-650 h500
  text "协" at -2665,-1105 h500
  text "微信" at -4100.71,-2144.26 h112.8

## Text inside footprints (layer, text, board x,y; h text height)
LCD: Top Overlay "LCD1602" at -568.43,580.04 h40 r90